# KiCad board glasgow_revD0.kicad_pcb (continued)
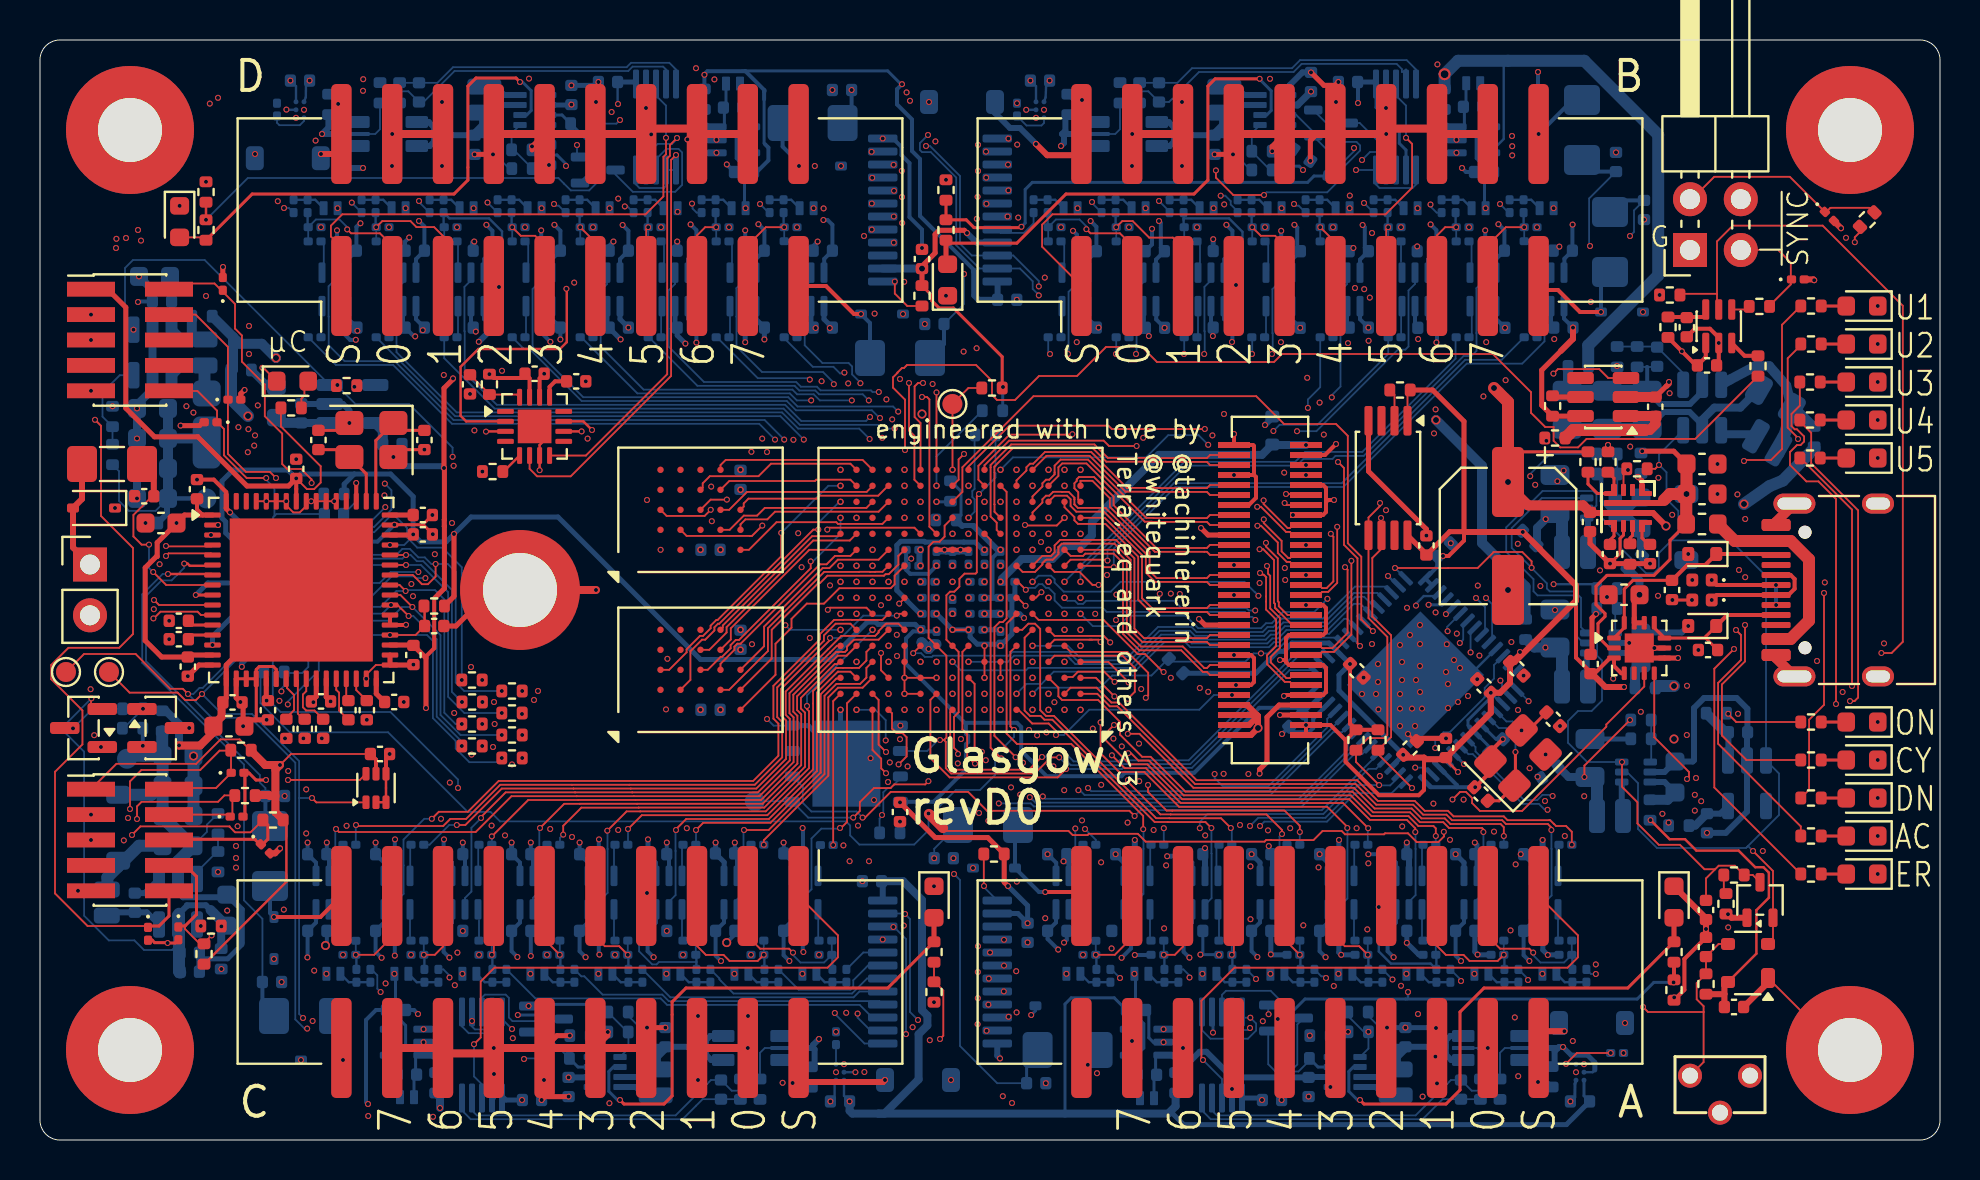
[diagram p0: board, top side]
## Footprints (pads in the part's own frame, mm; a bottom-side part is the same pattern mirrored in y, then rotated) (continued)
  rrect 0.25x0.875 smd: 15(-3.25,-3.938) 16(-2.75,-3.938) 17(-2.25,-3.938) 18(-1.75,-3.938) 19(-1.25,-3.937) 20(-0.75,-3.938) 21(-0.25,-3.938) 22(0.25,-3.938) 23(0.75,-3.938) 24(1.25,-3.937) 25(1.75,-3.938) 26(2.25,-3.938) 27(2.75,-3.938) 28(3.25,-3.938) 43(3.25,3.938) 44(2.75,3.938) 45(2.25,3.938) 46(1.75,3.938) 47(1.25,3.937) 48(0.75,3.938) 49(0.25,3.938) 50(-0.25,3.938) 51(-0.75,3.938) 52(-1.25,3.937) 53(-1.75,3.938) 54(-2.25,3.938) 55(-2.75,3.938) 56(-3.25,3.938)
  rect 4.5x5.2 smd: 57(0,0)
R_0201_0603Metric
  rrect 0.318x0.36 smd: (-0.345,0) (0.345,0)
  rrect 0.46x0.4 smd: 1(-0.32,0) 2(0.32,0)
R_0402_1005Metric
  rrect 0.54x0.64 smd: 1(-0.51,0) 2(0.51,0)
R_MiniMELF_MMA-0204
  rrect 1.5x1.8 smd: 1(-1.5,0) 2(1.5,0)
R_Shunt_Alt_1206_3216Metric
  rrect 1.125x0.6 smd: 1(-1.46,-0.6) 1(-1.46,0.6) 4(1.46,-0.6) 4(1.46,0.6)
  rrect 1.125x0.2 smd: 2(-1.46,0) 3(1.46,0)
SOT-23
  rrect 1.475x0.6 smd: 1(-0.938,0.95) 2(-0.938,-0.95) 3(0.938,0)
SOT-23-5
  rrect 1.325x0.6 smd: 1(-1.137,0.95) 2(-1.137,0) 3(-1.137,-0.95) 4(1.137,-0.95) 5(1.137,0.95)
SOT-23-6
  rrect 1.325x0.6 smd: 1(-1.137,0.95) 2(-1.137,0) 3(-1.137,-0.95) 4(1.137,-0.95) 5(1.137,0) 6(1.137,0.95)
SOT-143
  rrect 0.7x1 smd: 1(-1,0.75)
  rrect 0.7x0.6 smd: 2(-1,-0.95) 3(1,-0.95) 4(1,0.95)
SOT-323_SC-70
  rrect 0.925x0.45 smd: 1(-0.887,0.65) 2(-0.887,-0.65) 3(0.887,0)
SOT-353_SC-70-5
  rrect 1.025x0.35 smd: 1(-0.838,0.65) 2(-0.838,0) 3(-0.838,-0.65) 4(0.838,-0.65) 5(0.838,0.65)
SOT-363_SC-70-6
  rrect 1.025x0.35 smd: 1(-0.838,0.65) 2(-0.838,0) 3(-0.838,-0.65) 4(0.838,-0.65) 5(0.838,0) 6(0.838,0.65)
SOT-563
  rrect 0.675x0.35 smd: 1(-0.713,0.5) 2(-0.713,0) 3(-0.713,-0.5) 4(0.713,-0.5) 5(0.713,0) 6(0.713,0.5)
SOT-583-8
  rrect 0.67x0.3 smd: 1(-0.74,0.75) 2(-0.74,0.25) 3(-0.74,-0.25) 4(-0.74,-0.75) 5(0.74,-0.75) 6(0.74,-0.25) 7(0.74,0.25) 8(0.74,0.75)
SW_Tactile_SPST_Angled_TC-1109DE
  round 1.2 hole 0.8: 1(-1.5,0) 2(1.5,0) SH(0,1.85)
TestPoint_Pad_D1.0mm
  round 1 smd: 1(0,0)
Texas_RPW0010A_VQFN-HR10_2x2x1mm
  rrect 0.6x0.3 smd: 1(-0.9,0.7) 4(-0.9,-0.7) 7(0.9,-0.7) 10(0.9,0.7)
  rrect 0.25x0.65 smd: 1(-0.725,0.875) 4(-0.725,-0.875) 7(0.725,-0.875) 10(0.725,0.875)
  rrect 0.6x0.25 smd: 2(-0.9,0.225) 3(-0.9,-0.225) 8(0.9,-0.225) 9(0.9,0.225)
  rrect 0.3x2.4 smd: 5(-0.25,0) 6(0.25,0)
TSSOP-8_4.4x3mm_P0.65mm
  rrect 1.475x0.4 smd: 1(-2.862,0.975) 2(-2.862,0.325) 3(-2.862,-0.325) 4(-2.862,-0.975) 5(2.862,-0.975) 6(2.862,-0.325) 7(2.862,0.325) 8(2.862,0.975)
TSSOP-10_3x3mm_P0.5mm
  rrect 1.45x0.3 smd: 1(-2.15,1) 2(-2.15,0.5) 3(-2.15,0) 4(-2.15,-0.5) 5(-2.15,-1) 6(2.15,-1) 7(2.15,-0.5) 8(2.15,0) 9(2.15,0.5) 10(2.15,1)
TSSOP-24_4.4x7.8mm_P0.65mm
  rrect 1.475x0.4 smd: 1(-2.862,3.575) 2(-2.862,2.925) 3(-2.862,2.275) 4(-2.862,1.625) 5(-2.862,0.975) 6(-2.862,0.325) 7(-2.862,-0.325) 8(-2.862,-0.975) 9(-2.862,-1.625) 10(-2.862,-2.275) 11(-2.862,-2.925) 12(-2.862,-3.575) 13(2.862,-3.575) 14(2.862,-2.925) 15(2.862,-2.275) 16(2.862,-1.625) 17(2.862,-0.975) 18(2.862,-0.325) 19(2.862,0.325) 20(2.862,0.975) 21(2.862,1.625) 22(2.862,2.275) 23(2.862,2.925) 24(2.862,3.575)
USB_C_Receptacle_HRO_TYPE-C-31-M-12
  round 0.65 hole 0.65 unplated: (-2.89,2.6) (2.89,2.6)
  rrect 0.6x1.45 smd: A1(-3.25,4.045) A4(-2.45,4.045) A9(2.45,4.045) A12(3.25,4.045) B1(3.25,4.045) B4(2.45,4.045) B9(-2.45,4.045) B12(-3.25,4.045)
  rrect 0.3x1.45 smd: A5(-1.25,4.045) A6(-0.25,4.045) A7(0.25,4.045) A8(1.25,4.045) B5(1.75,4.045) B6(0.75,4.045) B7(-0.75,4.045) B8(-1.75,4.045)
  oval 1x2.1 hole 0.6x1.7: SH(-4.32,3.13) SH(4.32,3.13)
  oval 1x1.6 hole 0.6x1.2: SH(-4.32,-1.05) SH(4.32,-1.05)
VQFN-64-1EP_9x9mm_P0.5mm_EP7.15x7.15mm
  rrect 1.92x1.92 smd: (-2.38,2.38) (-2.38,0) (-2.38,-2.38) (0,2.38) (0,0) (0,-2.38) (2.38,2.38) (2.38,0) (2.38,-2.38)
  rrect 0.825x0.25 smd: 1(-4.438,3.75) 2(-4.438,3.25) 3(-4.438,2.75) 4(-4.438,2.25) 5(-4.438,1.75) 6(-4.438,1.25) 7(-4.438,0.75) 8(-4.438,0.25) 9(-4.438,-0.25) 10(-4.438,-0.75) 11(-4.438,-1.25) 12(-4.438,-1.75) 13(-4.438,-2.25) 14(-4.438,-2.75) 15(-4.438,-3.25) 16(-4.438,-3.75) 33(4.438,-3.75) 34(4.438,-3.25) 35(4.438,-2.75) 36(4.438,-2.25) 37(4.438,-1.75) 38(4.438,-1.25) 39(4.438,-0.75) 40(4.438,-0.25) 41(4.438,0.25) 42(4.438,0.75) 43(4.438,1.25) 44(4.438,1.75) 45(4.438,2.25) 46(4.438,2.75) 47(4.438,3.25) 48(4.438,3.75)
  rrect 0.25x0.825 smd: 17(-3.75,-4.438) 18(-3.25,-4.438) 19(-2.75,-4.438) 20(-2.25,-4.438) 21(-1.75,-4.438) 22(-1.25,-4.438) 23(-0.75,-4.438) 24(-0.25,-4.438) 25(0.25,-4.438) 26(0.75,-4.438) 27(1.25,-4.438) 28(1.75,-4.438) 29(2.25,-4.438) 30(2.75,-4.438) 31(3.25,-4.438) 32(3.75,-4.438) 49(3.75,4.438) 50(3.25,4.438) 51(2.75,4.438) 52(2.25,4.438) 53(1.75,4.438) 54(1.25,4.438) 55(0.75,4.438) 56(0.25,4.438) 57(-0.25,4.438) 58(-0.75,4.438) 59(-1.25,4.438) 60(-1.75,4.438) 61(-2.25,4.438) 62(-2.75,4.438) 63(-3.25,4.438) 64(-3.75,4.438)
  rect 7.15x7.15 smd: 65(0,0)
WLCSP-6_1.4x1.0mm_P0.4mm
  round 0.25 smd: A1(-0.4,-0.2) A2(-0.4,0.2) B1(0,-0.2) B2(0,0.2) C1(0.4,-0.2) C2(0.4,0.2)
WQFN-14-1EP_2.5x2.5mm_P0.5mm_EP1.45x1.45mm
  rrect 0.58x0.58 smd: (-0.36,0.36) (-0.36,-0.36) (0.36,0.36) (0.36,-0.36)
  rrect 0.675x0.25 smd: 1(-1.262,0.5) 2(-1.262,0) 3(-1.262,-0.5) 8(1.262,-0.5) 9(1.262,0) 10(1.262,0.5)
  rrect 0.25x0.675 smd: 4(-0.75,-1.262) 5(-0.25,-1.262) 6(0.25,-1.262) 7(0.75,-1.262) 11(0.75,1.262) 12(0.25,1.262) 13(-0.25,1.262) 14(-0.75,1.262)
  rect 1.45x1.45 smd: 15(0,0)
WQFN-16-1EP_3x3mm_P0.5mm_EP1.68x1.68mm
  rrect 0.68x0.68 smd: (-0.42,0.42) (-0.42,-0.42) (0.42,0.42) (0.42,-0.42)
  rrect 0.835x0.25 smd: 1(-1.458,0.75) 2(-1.458,0.25) 3(-1.458,-0.25) 4(-1.458,-0.75) 9(1.458,-0.75) 10(1.458,-0.25) 11(1.458,0.25) 12(1.458,0.75)
  rrect 0.25x0.835 smd: 5(-0.75,-1.458) 6(-0.25,-1.458) 7(0.25,-1.458) 8(0.75,-1.458) 13(0.75,1.458) 14(0.25,1.458) 15(-0.25,1.458) 16(-0.75,1.458)
  rect 1.68x1.68 smd: 17(0,0)
WSON-8-1EP_6x5mm_P1.27mm_EP3.4x4.3mm
  rrect 1.37x1.73 smd: (-0.85,-1.075) (-0.85,1.075) (0.85,-1.075) (0.85,1.075)
  rrect 0.75x0.5 smd: 1(-2.7,1.905) 2(-2.7,0.635) 3(-2.7,-0.635) 4(-2.7,-1.905) 5(2.7,-1.905) 6(2.7,-0.635) 7(2.7,0.635) 8(2.7,1.905)
  rect 3.4x4.3 smd: 9(0,0)

## Nets
+1V1: C59.1 C61.1 C62.1 C64.1 C66.1 C68.1 J6.34 NT13.2 U8.G6 U8.G7 U8.G9 U8.L8 U8.L9 U8.L10
+1V8: C72.1 C73.1 C74.1 C75.1 C76.1 C77.1 J6.33 NT6.2 U8.K11 U8.L11 U11.D1 U11.E4 U12.D1 U12.E4
+2V5: C56.1 C57.1 NT11.2 U8.G11 U8.L7
+3V3: C1.1 C2.1 C3.1 C4.1 C5.1 C6.1 C7.1 C8.1 C9.1 C12.1 C17.1 C27.2 C31.1 C32.1 C58.1 C60.1 C63.1 C65.1 C67.1 C69.1 C116.1 C117.1 C118.1 C119.1 C120.1 C121.1 C141.1 C166.1 C191.1 C216.1 D37.1 J2.1 J5.1 J6.31 J6.32 NT5.2 NT8.2 NT12.2 R1.1 R6.2 R7.2 R8.2 R9.2 R26.1 R28.1 R29.1 R49.1 R51.1 R52.1 R53.1 R54.2 R55.1 R56.1 R57.1 R67.1 R82.1 R83.1 U1.1 U1.8 U2.3 U2.7 U2.11 U2.17 U2.27 U2.32 U2.43 U2.44 U2.55 U3.5 U4.3 U4.4 U6.3 U7.46 U7.57 U8.F6 U8.F7 U8.F10 U8.F11 U8.H6 U8.H7 U8.H11 U8.J11 U8.L6 U9.8 U24.2 U25.2 U25.21 U34.6 U46.2 U46.6 U58.6 U70.6
+5V: C16.2 C21.1 C22.1 C84.2 J6.1 J6.2 J6.3 J6.4 NT2.2 NT3.2 NT4.2 NT7.2 NT10.2 NT14.2 NT15.2 R24.1 R59.1 U4.12 U4.13 U5.6 U16.4
+5V5: C122.1 C123.1 C124.1 C140.1 C147.1 C149.1 C165.1 C172.1 C174.1 C190.1 C197.1 C199.1 C215.1 C222.1 NT9.2 R93.1 R135.1 R177.1 R219.1 U24.24 U25.24 U28.6 U33.C1 U37.5 U40.6 U45.C1 U49.5 U52.6 U57.C1 U61.5 U64.6 U69.C1 U73.5
+15V: C25.1 C28.1 C30.1 NT16.2 U7.1 U7.15
-15V: C33.1 C34.1 NT17.1 U7.17 U7.65
/IO Banks/Bank A/Vin+: C135.1 R89.2 U34.10
/IO Banks/Bank A/Vin-: C135.2 R91.2 U34.9
/IO Banks/Bank B/Vin+: C160.1 R131.2 U46.10
/IO Banks/Bank B/Vin-: C160.2 R133.2 U46.9
/IO Banks/Bank C/Vin+: C185.1 R173.2 U58.10
/IO Banks/Bank C/Vin-: C185.2 R175.2 U58.9
/IO Banks/Bank D/Vin+: C210.1 R215.2 U70.10
/IO Banks/Bank D/Vin-: C210.2 R217.2 U70.9
/Power/1V1OUT: C97.1 L4.2 NT13.1 R70.1
/Power/1V8OUT: C86.1 L3.2 NT6.1 R63.1
/Power/2V5OUT: C94.1 NT11.1 U17.5
/Power/3V3LSIN: C95.1 NT12.1 U20.1
/Power/3V3OUT: C85.1 L2.2 NT5.1 R61.1
/Power/5V5OUT: C87.1 C88.1 C91.1 C93.1 NT9.1 R65.1 U15.5
GND: C1.2 C2.2 C3.2 C4.2 C5.2 C6.2 C7.2 C8.2 C9.2 C10.1 C11.1 C12.2 C13.1 C14.2 C15.2 C16.1 C17.2 C18.1 C19.1 C20.1 C21.2 C22.2 C23.2 C24.2 C25.2 C26.2 C27.1 C28.2 C29.2 C30.2 C31.2 C32.2 C33.2 C34.2 C35.1 C36.2 C37.1 C38.2 C39.1 C40.2 C41.2 C43.2 C44.2 C45.2 C46.1 C47.2 C48.2 C49.2 C50.2 C51.2 C52.2 C53.2 C54.2 C55.2 C56.2 C57.2 C58.2 C59.2 C60.2 C61.2 C62.2 C63.2 C64.2 C65.2 C66.2 C67.2 C68.2 C69.2 C70.2 C71.2 C72.2 C73.2 C74.2 C75.2 C76.2 C77.2 C78.2 C79.2 C80.2 C81.2 C82.2 C83.2 C84.1 C85.2 C86.2 C88.2 C89.2 C90.2 C91.2 C92.2 C93.2 C94.2 C95.2 C96.2 C97.2 C99.2 C100.1 C103.2 C104.2 C105.2 C106.2 C108.1 C109.2 C110.1 C111.2 C112.1 C113.2 C114.1 C115.2 C116.2 C117.2 C118.2 C119.2 C120.2 C121.2 C122.2 C123.2 C124.2 C125.1 C126.1 C127.2 C128.2 C129.1 C130.1 C131.2 C132.2 C133.2 C134.2 C136.1 C137.1 C138.2 C139.2 C140.2 C141.2 C142.2 C143.1 C144.1 C145.2 C146.2 C147.2 C149.2 C150.1 C151.1 C152.2 C153.2 C154.1 C155.1 C156.2 C157.2 C158.2 C159.2 C161.1 C162.1 C163.2 C164.2 C165.2 C166.2 C167.2 C168.1 C169.1 C170.2 C171.2 C172.2 C174.2 C175.1 C176.1 C177.2 C178.2 C179.1 C180.1 C181.2 C182.2 C183.2 C184.2 C186.1 C187.1 C188.2 C189.2 C190.2 C191.2 C192.2 C193.1 C194.1 C195.2 C196.2 C197.2 C199.2 C200.1 C201.1 C202.2 C203.2 C204.1 C205.1 C206.2 C207.2 C208.2 C209.2 C211.1 C212.1 C213.2 C214.2 C215.2 C216.2 C217.2 C218.1 C219.1 C220.2 C221.2 C222.2 D1.1 D2.1 D3.1 D4.1 D5.1 D6.2 D7.2 D8.2 D9.2 D10.2 D11.2 D12.2 D13.2 D15.1 D16.1 D17.1 D18.1 D19.1 D20.1 D21.1 D22.1 D23.1 D24.1 D25.1 D26.1 D27.1 D28.1 D29.2 D30.2 D31.2 D32.2 D33.2 D34.2 D35.2 D36.2 D39.1 D40.1 D51.2 D52.2 D53.2 D54.2 D55.2 D56.2 D57.2 D58.2 D59.2 D60.1 D71.2 D72.2 D73.2 D74.2 D75.2 D76.2 D77.2 D78.2 D79.2 D80.1 D91.2 D92.2 D93.2 D94.2 D95.2 D96.2 D97.2 D98.2 D99.2 D100.1 D111.2 D112.2 D113.2 D114.2 D115.2 D116.2 D117.2 D118.2 D119.2 H1.1 H2.1 H3.1 H4.1 H5.1 J1.A1 J1.A12 J1.B1 J1.B12 J1.SH J2.3 J2.5 J2.9 J3.2 J4.1 J5.3 J5.5 J5.9 J6.6 J6.9 J6.12 J6.15 J6.18 J6.21 J6.24 J6.27 J6.30 J6.35 J6.38 J6.41 J6.44 J6.47 J6.50 J6.53 J6.56 J6.59 J7.4 J7.6 J7.8 J7.10 J7.12 J7.14 J7.16 J7.18 J8.4 J8.6 J8.8 J8.10 J8.12 J8.14 J8.16 J8.18 J9.4 J9.6 J9.8 J9.10 J9.12 J9.14 J9.16 J9.18 J10.4 J10.6 J10.8 J10.10 J10.12 J10.14 J10.16 J10.18 L6.2 R10.2 R11.2 R12.2 R21.2 R23.2 R25.2 R39.1 R47.2 R62.2 R64.2 R66.2 R69.1 R71.2 R74.2 R78.1 R81.2 R86.2 R88.2 R128.2 R130.2 R170.2 R172.2 R212.2 R214.2 SW1.1 U1.4 U2.6 U2.10 U2.12 U2.14 U2.26 U2.28 U2.41 U2.53 U2.56 U2.57 U3.2 U3.3 U3.4 U4.8 U4.9 U4.15 U5.8 U6.1 U6.2 U6.4 U6.9 U6.10 U6.24 U6.25 U6.28 U7.9 U7.14 U7.16 U7.18 U7.19 U7.20 U7.22 U7.27 U7.31 U7.33 U7.34 U7.37 U7.38 U7.47 U7.51 U7.53 U7.54 U7.55 U7.56 U7.58 U7.59 U7.60 U7.61 U7.64 U8.A1 U8.A4 U8.A6 U8.A7 U8.A10 U8.A11 U8.A16 U8.B6 U8.B7 U8.B8 U8.B9 U8.B11 U8.B12 U8.C5 U8.C6 U8.C7 U8.C10 U8.C11 U8.C12 U8.D2 U8.D6 U8.D7 U8.D12 U8.D15 U8.E6 U8.E7 U8.E12 U8.F8 U8.F9 U8.G8 U8.G10 U8.H1 U8.H8 U8.H9 U8.H10 U8.H16 U8.J8 U8.J9 U8.J10 U8.K6 U8.K7 U8.K8 U8.K9 U8.K10 U8.L14 U8.M9 U8.N2 U8.N11 U8.N12 U8.N15 U8.P8 U8.P12 U8.R8 U8.T1 U8.T5 U8.T12 U8.T16 U9.4 U9.9 U10.2 U11.C1 U11.E5 U12.C1 U12.E5 U13.2 U14.2 U15.2 U16.1 U17.2 U18.2 U19.2 U20.2 U21.7 U21.14 U21.17 U23.2 U23.5 U24.12 U24.21 U25.12 U26.2 U27.2 U28.5 U29.2 U30.2 U31.2 U32.2 U33.C2 U34.2 U34.7 U35.2 U36.2 U37.2 U38.2 U39.2 U40.5 U41.2 U42.2 U43.2 U44.2 U45.C2 U46.7 U47.2 U48.2 U49.2 U50.2 U51.2 U52.5 U53.2 U54.2 U55.2 U56.2 U57.C2 U58.7 U59.2 U60.2 U61.2 U62.2 U63.2 U64.5 U65.2 U66.2 U67.2 U68.2 U69.C2 U70.7 U71.2 U72.2 U73.2 Y1.2 Y1.4 Y2.2 Y2.4
VDDA: C24.1 C26.1 C29.1 C99.1 C103.1 R73.1 U7.21 U7.26 U7.35 U19.5 U21.15
/A0: U2.37 U8.D9
/A1: U2.38 U8.D8
/ADC/A1_N: C52.1 R35.1 U7.3
/ADC/A1_P: C47.1 R30.1 U7.2
/ADC/A1raw_N: D16.2 J7.20 R35.2
/ADC/A1raw_P: D15.2 J7.19 R30.2
/ADC/A2_N: C53.1 R36.1 U7.5
/ADC/A2_P: C48.1 R31.1 U7.4
/ADC/A2raw_N: D18.2 J8.20 R36.2
/ADC/A2raw_P: D17.2 J8.19 R31.2
/ADC/A3_N: C54.1 R37.1 U7.7
/ADC/A3_P: C49.1 R32.1 U7.6
/ADC/A3raw_N: D20.2 J9.20 R37.2
/ADC/A3raw_P: D19.2 J9.19 R32.2
/ADC/A4_N: C55.1 R38.1 U7.11
/ADC/A4_P: C50.1 R33.1 U7.10
/ADC/A4raw_N: D22.2 J10.20 R38.2
/ADC/A4raw_P: D21.2 J10.19 R33.2
/ADC/ADC_~{RST}: C43.1 R20.2 R29.2 U6.19 U7.36
/ADC/CAPN_ADC: C42.1 U7.29
/ADC/CAPP_ADC: C42.2 U7.28
/ADC/CIPO: R14.2 U6.12 U7.44
/ADC/COPI: R15.2 U6.13 U7.43
/ADC/DRDY: R13.2 U6.8 U7.45
/ADC/INTB: R19.2 U6.17 U7.39
/ADC/MCU_LED: D14.1 U6.7
/ADC/REF_BYP: C35.2 U7.23
/ADC/REF_INT: C39.2 U7.25
/ADC/REF_NR: C37.2 U7.24
/ADC/REFH: C41.1 U7.13
/ADC/REFL: C40.1 U7.12
/ADC/REFP_ADC: C46.2 U7.30
/ADC/REMOTE_COM: D23.2 J3.1 R34.2
/ADC/SCLK: R16.2 U6.11 U7.42
/ADC/SWCLK: D12.1 J2.4 R27.2 U6.21
/ADC/SWDIO: D13.1 J2.2 U6.20
/ADC/SYNC: R18.2 U6.18 U7.40
/ADC/~{CS}: R17.2 U6.16 U7.41
/BOOT0: NT1.2 R27.1 U8.E5
/CIPO: R14.1 U8.B3
/CLKIF: U2.13 U8.E8
/CLKREF: U2.54 U8.C8
/COPI: R15.1 U8.A3
/D0: U2.18 U8.T8 U9.5
/D1: U2.19 U8.T7 U9.2
/D2: U2.20 U8.M7
/D3: U2.21 U8.N7
/D4: U2.22 U8.P7
/D5: U2.23 U8.R7
/D6: U2.24 U8.R6
/D7: U2.25 U8.T6
/DRDY: R13.1 U8.A2
/ENVA: R10.1 R84.1 R85.1 U2.45
/ENVB: R11.1 R126.1 R127.1 U2.51
/ENVC: R12.1 R168.1 R169.1 U2.46
/ENVD: R21.1 R210.1 R211.1 U2.52
/FLAGA: U2.29 U8.B10
/FLAGB: U2.30 U8.E10 U8.N9 U9.6
/FLAGC: U2.31 U8.A9
/FLAGD: U2.40 U8.E4
/FPGA/CSSPIN: R40.1 TP3.1 U8.N8 U9.1
/FPGA/RAM + LVDS/CK0: U8.P16 U11.B2
/FPGA/RAM + LVDS/CK1: U8.M11 U12.B2
/FPGA/RAM + LVDS/CS#0: U8.R16 U11.A3
/FPGA/RAM + LVDS/CS#1: U8.P11 U12.A3
/FPGA/RAM + LVDS/DETECT: J6.5 U8.A5
/FPGA/RAM + LVDS/DQ0: U8.L15 U11.D3
/FPGA/RAM + LVDS/DQ1: U8.K13 U11.D2
/FPGA/RAM + LVDS/DQ2: U8.M15 U11.C4
/FPGA/RAM + LVDS/DQ3: U8.L16 U11.D4
/FPGA/RAM + LVDS/DQ4: U8.M16 U11.D5
/FPGA/RAM + LVDS/DQ5: U8.L13 U11.E3
/FPGA/RAM + LVDS/DQ6: U8.L12 U11.E2
/FPGA/RAM + LVDS/DQ7: U8.K12 U11.E1
/FPGA/RAM + LVDS/DQ8: U8.R14 U12.D3
/FPGA/RAM + LVDS/DQ9: U8.P14 U12.D2
/FPGA/RAM + LVDS/DQ10: U8.T15 U12.C4
/FPGA/RAM + LVDS/DQ11: U8.R15 U12.D4
/FPGA/RAM + LVDS/DQ12: U8.T14 U12.D5
/FPGA/RAM + LVDS/DQ13: U8.R13 U12.E3
/FPGA/RAM + LVDS/DQ14: U8.P13 U12.E2
/FPGA/RAM + LVDS/DQ15: U8.N13 U12.E1
/FPGA/RAM + LVDS/DQS0: U8.N16 U11.C3
/FPGA/RAM + LVDS/DQS1: U8.R12 U12.C3
/FPGA/RAM + LVDS/VIO_{AUX}: C78.1 C79.1 D36.1 J6.60 U8.J6 U8.J7
/FPGA/RAM + LVDS/Z0_N: J6.28 U8.N6
/FPGA/RAM + LVDS/Z0_P: J6.29 U8.M6
/FPGA/RAM + LVDS/Z1_N: J6.57 U8.T3
/FPGA/RAM + LVDS/Z1_P: J6.58 U8.R4
/FPGA/RAM + LVDS/Z2_N: J6.25 U8.T4
/FPGA/RAM + LVDS/Z2_P: J6.26 U8.R5
/FPGA/RAM + LVDS/Z3_N: J6.54 U8.T2
/FPGA/RAM + LVDS/Z3_P: J6.55 U8.R2
/FPGA/RAM + LVDS/Z4_N: J6.22 U8.R3
/FPGA/RAM + LVDS/Z4_P: J6.23 U8.P4
/FPGA/RAM + LVDS/Z5_N: J6.51 U8.P5
/FPGA/RAM + LVDS/Z5_P: J6.52 U8.P6
/FPGA/RAM + LVDS/Z6_N: J6.19 U8.R1
/FPGA/RAM + LVDS/Z6_P: J6.20 U8.P1
/FPGA/RAM + LVDS/Z7_N: J6.48 U8.N5
/FPGA/RAM + LVDS/Z7_P: J6.49 U8.M5
/FPGA/RAM + LVDS/Z8_N: J6.16 U8.P3
/FPGA/RAM + LVDS/Z8_P: J6.17 U8.N4
/FPGA/RAM + LVDS/Z9_N: J6.45 U8.N3
/FPGA/RAM + LVDS/Z9_P: J6.46 U8.M4
/FPGA/RAM + LVDS/Z10_N: J6.13 U8.P2
/FPGA/RAM + LVDS/Z10_P: J6.14 U8.N1
/FPGA/RAM + LVDS/Z11_N: J6.42 U8.M2
/FPGA/RAM + LVDS/Z11_P: J6.43 U8.M1
/FPGA/RAM + LVDS/Z12_N: J6.10 U8.K5
/FPGA/RAM + LVDS/Z12_P: J6.11 U8.K4
/FPGA/RAM + LVDS/Z13_N: J6.39 U8.M3
/FPGA/RAM + LVDS/Z13_P: J6.40 U8.L3
/FPGA/RAM + LVDS/Z14_N: J6.7 U8.L2
/FPGA/RAM + LVDS/Z14_P: J6.8 U8.L1
/FPGA/RAM + LVDS/Z15_N: J6.36 U8.L5
/FPGA/RAM + LVDS/Z15_P: J6.37 U8.L4
/FPGA/SYNCBALL: R46.2 U8.B13
/FPGA/SYNSYN: R58.2 U8.M8
/FPGA/TCK: D30.1 J5.4 R49.2 U8.T10
/FPGA/TDI: D34.1 J5.8 R53.2 U8.R11
/FPGA/TDO: D33.1 J5.6 R52.2 U8.M10
/FPGA/TMS: D31.1 J5.2 R51.2 U8.T11
/FPGA/U1: R41.1 U8.D13
/FPGA/U2: R42.1 U8.E13
/FPGA/U3: R43.1 U8.A13
/FPGA/U4: R44.1 U8.A14
/FPGA/U5: R45.1 U8.B14
/FPGA/~{SYNC}: D32.1 J4.3 R50.1
/FPGA_DONE: R3.1 U2.36 U8.P9
/FPGA_INITn: R54.1 TP4.1 U6.6 U8.T9
/INTB: R19.1 U8.C4
/IO Banks/A.DIR0: U8.B1 U26.5
/IO Banks/A.DIR1: U8.C3 U29.5
/IO Banks/A.DIR2: U8.C1 U31.5
/IO Banks/A.DIR3: U8.E3 U35.5
/IO Banks/A.DIR4: U8.D1 U27.5
/IO Banks/A.DIR5: U8.F4 U30.5
/IO Banks/A.DIR6: U8.G5 U32.5
/IO Banks/A.DIR7: U8.F2 U36.5
/IO Banks/A.P0: R118.2 U24.11
/IO Banks/A.P1: R119.2 U24.10
/IO Banks/A.P2: R120.2 U24.9
/IO Banks/A.P3: R121.2 U24.8
/IO Banks/A.P4: R122.2 U24.7
/IO Banks/A.P5: R123.2 U24.6
/IO Banks/A.P6: R124.2 U24.5
/IO Banks/A.P7: R125.2 U24.4
/IO Banks/A.Q0: R94.2 U8.B2
/IO Banks/A.Q1: R95.2 U8.D3
/IO Banks/A.Q2: R96.2 U8.C2
/IO Banks/A.Q3: R97.2 U8.F3
/IO Banks/A.Q4: R98.2 U8.E2
/IO Banks/A.Q5: R99.2 U8.F5
/IO Banks/A.Q6: R100.2 U8.G4
/IO Banks/A.Q7: R101.2 U8.E1
/IO Banks/B.DIR0: U8.F1 U38.5
/IO Banks/B.DIR1: U8.G3 U41.5
/IO Banks/B.DIR2: U8.H5 U43.5
/IO Banks/B.DIR3: U8.J4 U47.5
/IO Banks/B.DIR4: U8.G1 U39.5
/IO Banks/B.DIR5: U8.J3 U42.5
/IO Banks/B.DIR6: U8.J1 U44.5
/IO Banks/B.DIR7: U8.K1 U48.5
/IO Banks/B.P0: R160.2 U25.20
/IO Banks/B.P1: R161.2 U25.19
/IO Banks/B.P2: R162.2 U25.18
/IO Banks/B.P3: R163.2 U25.17
/IO Banks/B.P4: R164.2 U25.16
/IO Banks/B.P5: R165.2 U25.15
/IO Banks/B.P6: R166.2 U25.14
/IO Banks/B.P7: R167.2 U25.13
/IO Banks/B.Q0: R136.2 U8.G2
/IO Banks/B.Q1: R137.2 U8.H3
/IO Banks/B.Q2: R138.2 U8.H4
/IO Banks/B.Q3: R139.2 U8.J5
/IO Banks/B.Q4: R140.2 U8.H2
/IO Banks/B.Q5: R141.2 U8.K3
/IO Banks/B.Q6: R142.2 U8.J2
/IO Banks/B.Q7: R143.2 U8.K2
/IO Banks/Bank A/PG: D40.2 R84.2 U28.2
/IO Banks/Bank A/V_{CLAMP}: C148.1 D42.1 D43.1 D44.1 D45.1 D46.1 D47.1 D48.1 D49.1 D50.1 U37.4
/IO Banks/Bank A/V_{IO_OUT}: D59.1 J7.2 R92.2 U33.B2
/IO Banks/Bank A/V_{IO}: C127.1 C128.1 C132.1 C133.1 C138.1 C139.1 C145.1 C146.1 R90.4 R92.1 U26.6 U27.6 U29.6 U30.6 U31.6 U32.6 U33.A1 U33.B1 U35.6 U36.6 U37.1
/IO Banks/Bank A/V_{SENSE}: J7.1 U34.8
/IO Banks/Bank A/VIO_EN: D41.1 R85.2 U28.7
/IO Banks/Bank A/X0: R94.1 U26.3
/IO Banks/Bank A/X1: R95.1 U29.3
/IO Banks/Bank A/X2: R96.1 U31.3
/IO Banks/Bank A/X3: R97.1 U35.3
/IO Banks/Bank A/X4: R98.1 U27.3
/IO Banks/Bank A/X5: R99.1 U30.3
/IO Banks/Bank A/X6: R100.1 U32.3
/IO Banks/Bank A/X7: R101.1 U36.3
/IO Banks/Bank A/Y0: R102.1 U26.4
/IO Banks/Bank A/Y1: R103.1 U29.4
/IO Banks/Bank A/Y2: R104.1 U31.4
/IO Banks/Bank A/Y3: R105.1 U35.4
/IO Banks/Bank A/Y4: R106.1 U27.4
/IO Banks/Bank A/Y5: R107.1 U30.4
/IO Banks/Bank A/Y6: R108.1 U32.4
/IO Banks/Bank A/Y7: R109.1 U36.4
/IO Banks/Bank A/Z0: D58.1 J7.3 R102.2 R110.1
/IO Banks/Bank A/Z1: D51.1 J7.5 R103.2 R111.1
/IO Banks/Bank A/Z2: D57.1 J7.7 R104.2 R112.1
/IO Banks/Bank A/Z3: D52.1 J7.9 R105.2 R113.1
/IO Banks/Bank A/Z4: D53.1 J7.11 R106.2 R114.1
/IO Banks/Bank A/Z5: D56.1 J7.13 R107.2 R115.1
/IO Banks/Bank A/Z6: D54.1 J7.15 R108.2 R116.1
/IO Banks/Bank A/Z7: D55.1 J7.17 R109.2 R117.1
/IO Banks/Bank B/PG: D60.2 R126.2 U40.2
/IO Banks/Bank B/V_{CLAMP}: C173.1 D62.1 D63.1 D64.1 D65.1 D66.1 D67.1 D68.1 D69.1 D70.1 U49.4
/IO Banks/Bank B/V_{IO_OUT}: D79.1 J8.2 R134.2 U45.B2
/IO Banks/Bank B/V_{IO}: C152.1 C153.1 C157.1 C158.1 C163.1 C164.1 C170.1 C171.1 R132.4 R134.1 U38.6 U39.6 U41.6 U42.6 U43.6 U44.6 U45.A1 U45.B1 U47.6 U48.6 U49.1
/IO Banks/Bank B/V_{SENSE}: J8.1 U46.8
/IO Banks/Bank B/VIO_EN: D61.1 R127.2 U40.7
/IO Banks/Bank B/X0: R136.1 U38.3
/IO Banks/Bank B/X1: R137.1 U41.3
/IO Banks/Bank B/X2: R138.1 U43.3
/IO Banks/Bank B/X3: R139.1 U47.3
/IO Banks/Bank B/X4: R140.1 U39.3
/IO Banks/Bank B/X5: R141.1 U42.3
/IO Banks/Bank B/X6: R142.1 U44.3
/IO Banks/Bank B/X7: R143.1 U48.3
/IO Banks/Bank B/Y0: R144.1 U38.4
/IO Banks/Bank B/Y1: R145.1 U41.4
/IO Banks/Bank B/Y2: R146.1 U43.4
/IO Banks/Bank B/Y3: R147.1 U47.4
/IO Banks/Bank B/Y4: R148.1 U39.4
/IO Banks/Bank B/Y5: R149.1 U42.4
/IO Banks/Bank B/Y6: R150.1 U44.4
/IO Banks/Bank B/Y7: R151.1 U48.4
/IO Banks/Bank B/Z0: D78.1 J8.3 R144.2 R152.1
/IO Banks/Bank B/Z1: D71.1 J8.5 R145.2 R153.1
/IO Banks/Bank B/Z2: D77.1 J8.7 R146.2 R154.1
/IO Banks/Bank B/Z3: D72.1 J8.9 R147.2 R155.1
/IO Banks/Bank B/Z4: D73.1 J8.11 R148.2 R156.1
/IO Banks/Bank B/Z5: D76.1 J8.13 R149.2 R157.1
/IO Banks/Bank B/Z6: D74.1 J8.15 R150.2 R158.1
/IO Banks/Bank B/Z7: D75.1 J8.17 R151.2 R159.1
/IO Banks/Bank C/PG: D80.2 R168.2 U52.2
/IO Banks/Bank C/V_{CLAMP}: C198.1 D82.1 D83.1 D84.1 D85.1 D86.1 D87.1 D88.1 D89.1 D90.1 U61.4
/IO Banks/Bank C/V_{IO_OUT}: D99.1 J9.2 R176.2 U57.B2
/IO Banks/Bank C/V_{IO}: C177.1 C178.1 C182.1 C183.1 C188.1 C189.1 C195.1 C196.1 R174.4 R176.1 U50.6 U51.6 U53.6 U54.6 U55.6 U56.6 U57.A1 U57.B1 U59.6 U60.6 U61.1
/IO Banks/Bank C/V_{SENSE}: J9.1 U58.8
/IO Banks/Bank C/VIO_EN: D81.1 R169.2 U52.7
/IO Banks/Bank C/X0: R178.1 U50.3
/IO Banks/Bank C/X1: R179.1 U53.3
/IO Banks/Bank C/X2: R180.1 U55.3
/IO Banks/Bank C/X3: R181.1 U59.3
/IO Banks/Bank C/X4: R182.1 U51.3
/IO Banks/Bank C/X5: R183.1 U54.3
/IO Banks/Bank C/X6: R184.1 U56.3
/IO Banks/Bank C/X7: R185.1 U60.3
/IO Banks/Bank C/Y0: R186.1 U50.4
/IO Banks/Bank C/Y1: R187.1 U53.4
/IO Banks/Bank C/Y2: R188.1 U55.4
/IO Banks/Bank C/Y3: R189.1 U59.4
/IO Banks/Bank C/Y4: R190.1 U51.4
/IO Banks/Bank C/Y5: R191.1 U54.4
/IO Banks/Bank C/Y6: R192.1 U56.4
/IO Banks/Bank C/Y7: R193.1 U60.4
/IO Banks/Bank C/Z0: D98.1 J9.3 R186.2 R194.1
/IO Banks/Bank C/Z1: D91.1 J9.5 R187.2 R195.1
/IO Banks/Bank C/Z2: D97.1 J9.7 R188.2 R196.1
/IO Banks/Bank C/Z3: D92.1 J9.9 R189.2 R197.1
/IO Banks/Bank C/Z4: D93.1 J9.11 R190.2 R198.1
/IO Banks/Bank C/Z5: D96.1 J9.13 R191.2 R199.1
/IO Banks/Bank C/Z6: D94.1 J9.15 R192.2 R200.1
/IO Banks/Bank C/Z7: D95.1 J9.17 R193.2 R201.1
/IO Banks/Bank D/PG: D100.2 R210.2 U64.2
/IO Banks/Bank D/V_{CLAMP}: C223.1 D102.1 D103.1 D104.1 D105.1 D106.1 D107.1 D108.1 D109.1 D110.1 U73.4
/IO Banks/Bank D/V_{IO_OUT}: D119.1 J10.2 R218.2 U69.B2
/IO Banks/Bank D/V_{IO}: C202.1 C203.1 C207.1 C208.1 C213.1 C214.1 C220.1 C221.1 R216.4 R218.1 U62.6 U63.6 U65.6 U66.6 U67.6 U68.6 U69.A1 U69.B1 U71.6 U72.6 U73.1
/IO Banks/Bank D/V_{SENSE}: J10.1 U70.8
/IO Banks/Bank D/VIO_EN: D101.1 R211.2 U64.7
/IO Banks/Bank D/X0: R220.1 U62.3
/IO Banks/Bank D/X1: R221.1 U65.3
/IO Banks/Bank D/X2: R222.1 U67.3
/IO Banks/Bank D/X3: R223.1 U71.3
/IO Banks/Bank D/X4: R224.1 U63.3
/IO Banks/Bank D/X5: R225.1 U66.3
/IO Banks/Bank D/X6: R226.1 U68.3
/IO Banks/Bank D/X7: R227.1 U72.3
/IO Banks/Bank D/Y0: R228.1 U62.4
/IO Banks/Bank D/Y1: R229.1 U65.4
/IO Banks/Bank D/Y2: R230.1 U67.4
/IO Banks/Bank D/Y3: R231.1 U71.4
/IO Banks/Bank D/Y4: R232.1 U63.4
/IO Banks/Bank D/Y5: R233.1 U66.4
/IO Banks/Bank D/Y6: R234.1 U68.4
/IO Banks/Bank D/Y7: R235.1 U72.4
/IO Banks/Bank D/Z0: D118.1 J10.3 R228.2 R236.1
/IO Banks/Bank D/Z1: D111.1 J10.5 R229.2 R237.1
/IO Banks/Bank D/Z2: D117.1 J10.7 R230.2 R238.1
/IO Banks/Bank D/Z3: D112.1 J10.9 R231.2 R239.1
/IO Banks/Bank D/Z4: D113.1 J10.11 R232.2 R240.1
/IO Banks/Bank D/Z5: D116.1 J10.13 R233.2 R241.1
/IO Banks/Bank D/Z6: D114.1 J10.15 R234.2 R242.1
/IO Banks/Bank D/Z7: D115.1 J10.17 R235.2 R243.1
/IO Banks/C.DIR0: U8.B15 U50.5
/IO Banks/C.DIR1: U8.D14 U53.5
/IO Banks/C.DIR2: U8.C15 U55.5
/IO Banks/C.DIR3: U8.F14 U59.5
/IO Banks/C.DIR4: U8.E15 U51.5
/IO Banks/C.DIR5: U8.F12 U54.5
/IO Banks/C.DIR6: U8.G13 U56.5
/IO Banks/C.DIR7: U8.E16 U60.5
/IO Banks/C.P0: R202.2 U24.20
/IO Banks/C.P1: R203.2 U24.19
/IO Banks/C.P2: R204.2 U24.18
/IO Banks/C.P3: R205.2 U24.17
/IO Banks/C.P4: R206.2 U24.16
/IO Banks/C.P5: R207.2 U24.15
/IO Banks/C.P6: R208.2 U24.14
/IO Banks/C.P7: R209.2 U24.13
/IO Banks/C.Q0: R178.2 U8.B16
/IO Banks/C.Q1: R179.2 U8.C14
/IO Banks/C.Q2: R180.2 U8.C16
/IO Banks/C.Q3: R181.2 U8.E14
/IO Banks/C.Q4: R182.2 U8.D16
/IO Banks/C.Q5: R183.2 U8.F13
/IO Banks/C.Q6: R184.2 U8.G12
/IO Banks/C.Q7: R185.2 U8.F15
/IO Banks/D.DIR0: U8.G15 U62.5
/IO Banks/D.DIR1: U8.H14 U65.5
/IO Banks/D.DIR2: U8.H13 U67.5
/IO Banks/D.DIR3: U8.J12 U71.5
/IO Banks/D.DIR4: U8.H15 U63.5
/IO Banks/D.DIR5: U8.K14 U66.5
/IO Banks/D.DIR6: U8.J15 U68.5
/IO Banks/D.DIR7: U8.K15 U72.5
/IO Banks/D.P0: R244.2 U25.11
/IO Banks/D.P1: R245.2 U25.10
/IO Banks/D.P2: R246.2 U25.9
/IO Banks/D.P3: R247.2 U25.8
/IO Banks/D.P4: R248.2 U25.7
/IO Banks/D.P5: R249.2 U25.6
/IO Banks/D.P6: R250.2 U25.5
/IO Banks/D.P7: R251.2 U25.4
/IO Banks/D.Q0: R220.2 U8.F16
/IO Banks/D.Q1: R221.2 U8.G14
/IO Banks/D.Q2: R222.2 U8.H12
/IO Banks/D.Q3: R223.2 U8.J13
/IO Banks/D.Q4: R224.2 U8.G16
/IO Banks/D.Q5: R225.2 U8.J14
/IO Banks/D.Q6: R226.2 U8.J16
/IO Banks/D.Q7: R227.2 U8.K16
/IO Banks/V_{SET_A}: R87.2 R88.1 U21.11 U28.1
/IO Banks/V_{SET_B}: R129.2 R130.1 U21.10 U40.1
/IO Banks/V_{SET_C}: R171.2 R172.1 U21.3 U52.1
/IO Banks/V_{SET_D}: R213.2 R214.1 U21.2 U64.1
/LED_ACT: R4.1 U2.49
/LED_CY: NT1.1 R2.1 U2.47
/LED_ERR: R5.1 U2.50
/MCU_~{RST}: C23.1 D11.1 J2.10 R26.2 U2.48 U6.5 U8.D5
/NAFE_{~{CS}}: R17.1 U8.C9
/NAFE_{~{RST}}: R20.1 U8.A15
/OE: U2.35 U8.B5
/PG_{VBUS}: C83.1 R59.2 R60.1 SW1.2 U5.3 U16.3
/PKTEND: U2.39 U8.E11
/Power/BO5V5IN: C80.1 L1.1 NT2.1 U15.6
/Power/BOIN: C105.1 C106.1 L5.1 NT15.1 U23.6
/Power/BOOST_OUT15V: C109.1 C111.1 C113.1 C115.1 D38.1 NT16.1 R80.1 TP5.1
/Power/BU1V1IN: C89.1 NT7.1 U18.3
/Power/BU1V8IN: C82.1 NT4.1 U14.3
/Power/BU3V3IN: C81.1 NT3.1 U13.3
/Power/EN: Q2.3 R76.2 U22.4
/Power/IBBIN: C98.1 C101.1 C102.1 NT14.1 Q1.2 R76.1 U22.5
/Power/INVBUBO_LOCALGND: C98.2 C101.2 C102.2 C108.2 C110.2 C112.2 C114.2 D39.2 NT17.2 Q2.2 R77.1 R79.2 TP6.1 U22.2
/Power/LDOVDDAIN: FB2.1 NT10.1
